# Altium PCB as14120_all_1.PcbDoc (part 2 of 2)
Units mm, origin at the board's own origin, x right, y up, seen from the top; angles counter-clockwise.
Board outline 130 x 100 mm, 6 copper layers (Top Layer, GND1, Signal_Power, Signal_midle, GND2, Bottom Layer), stack 0.963 mm thick; 374 components, 340 nets, 2183 pads, 100 vias.
Unrouted connection lines stored in the file: 951.
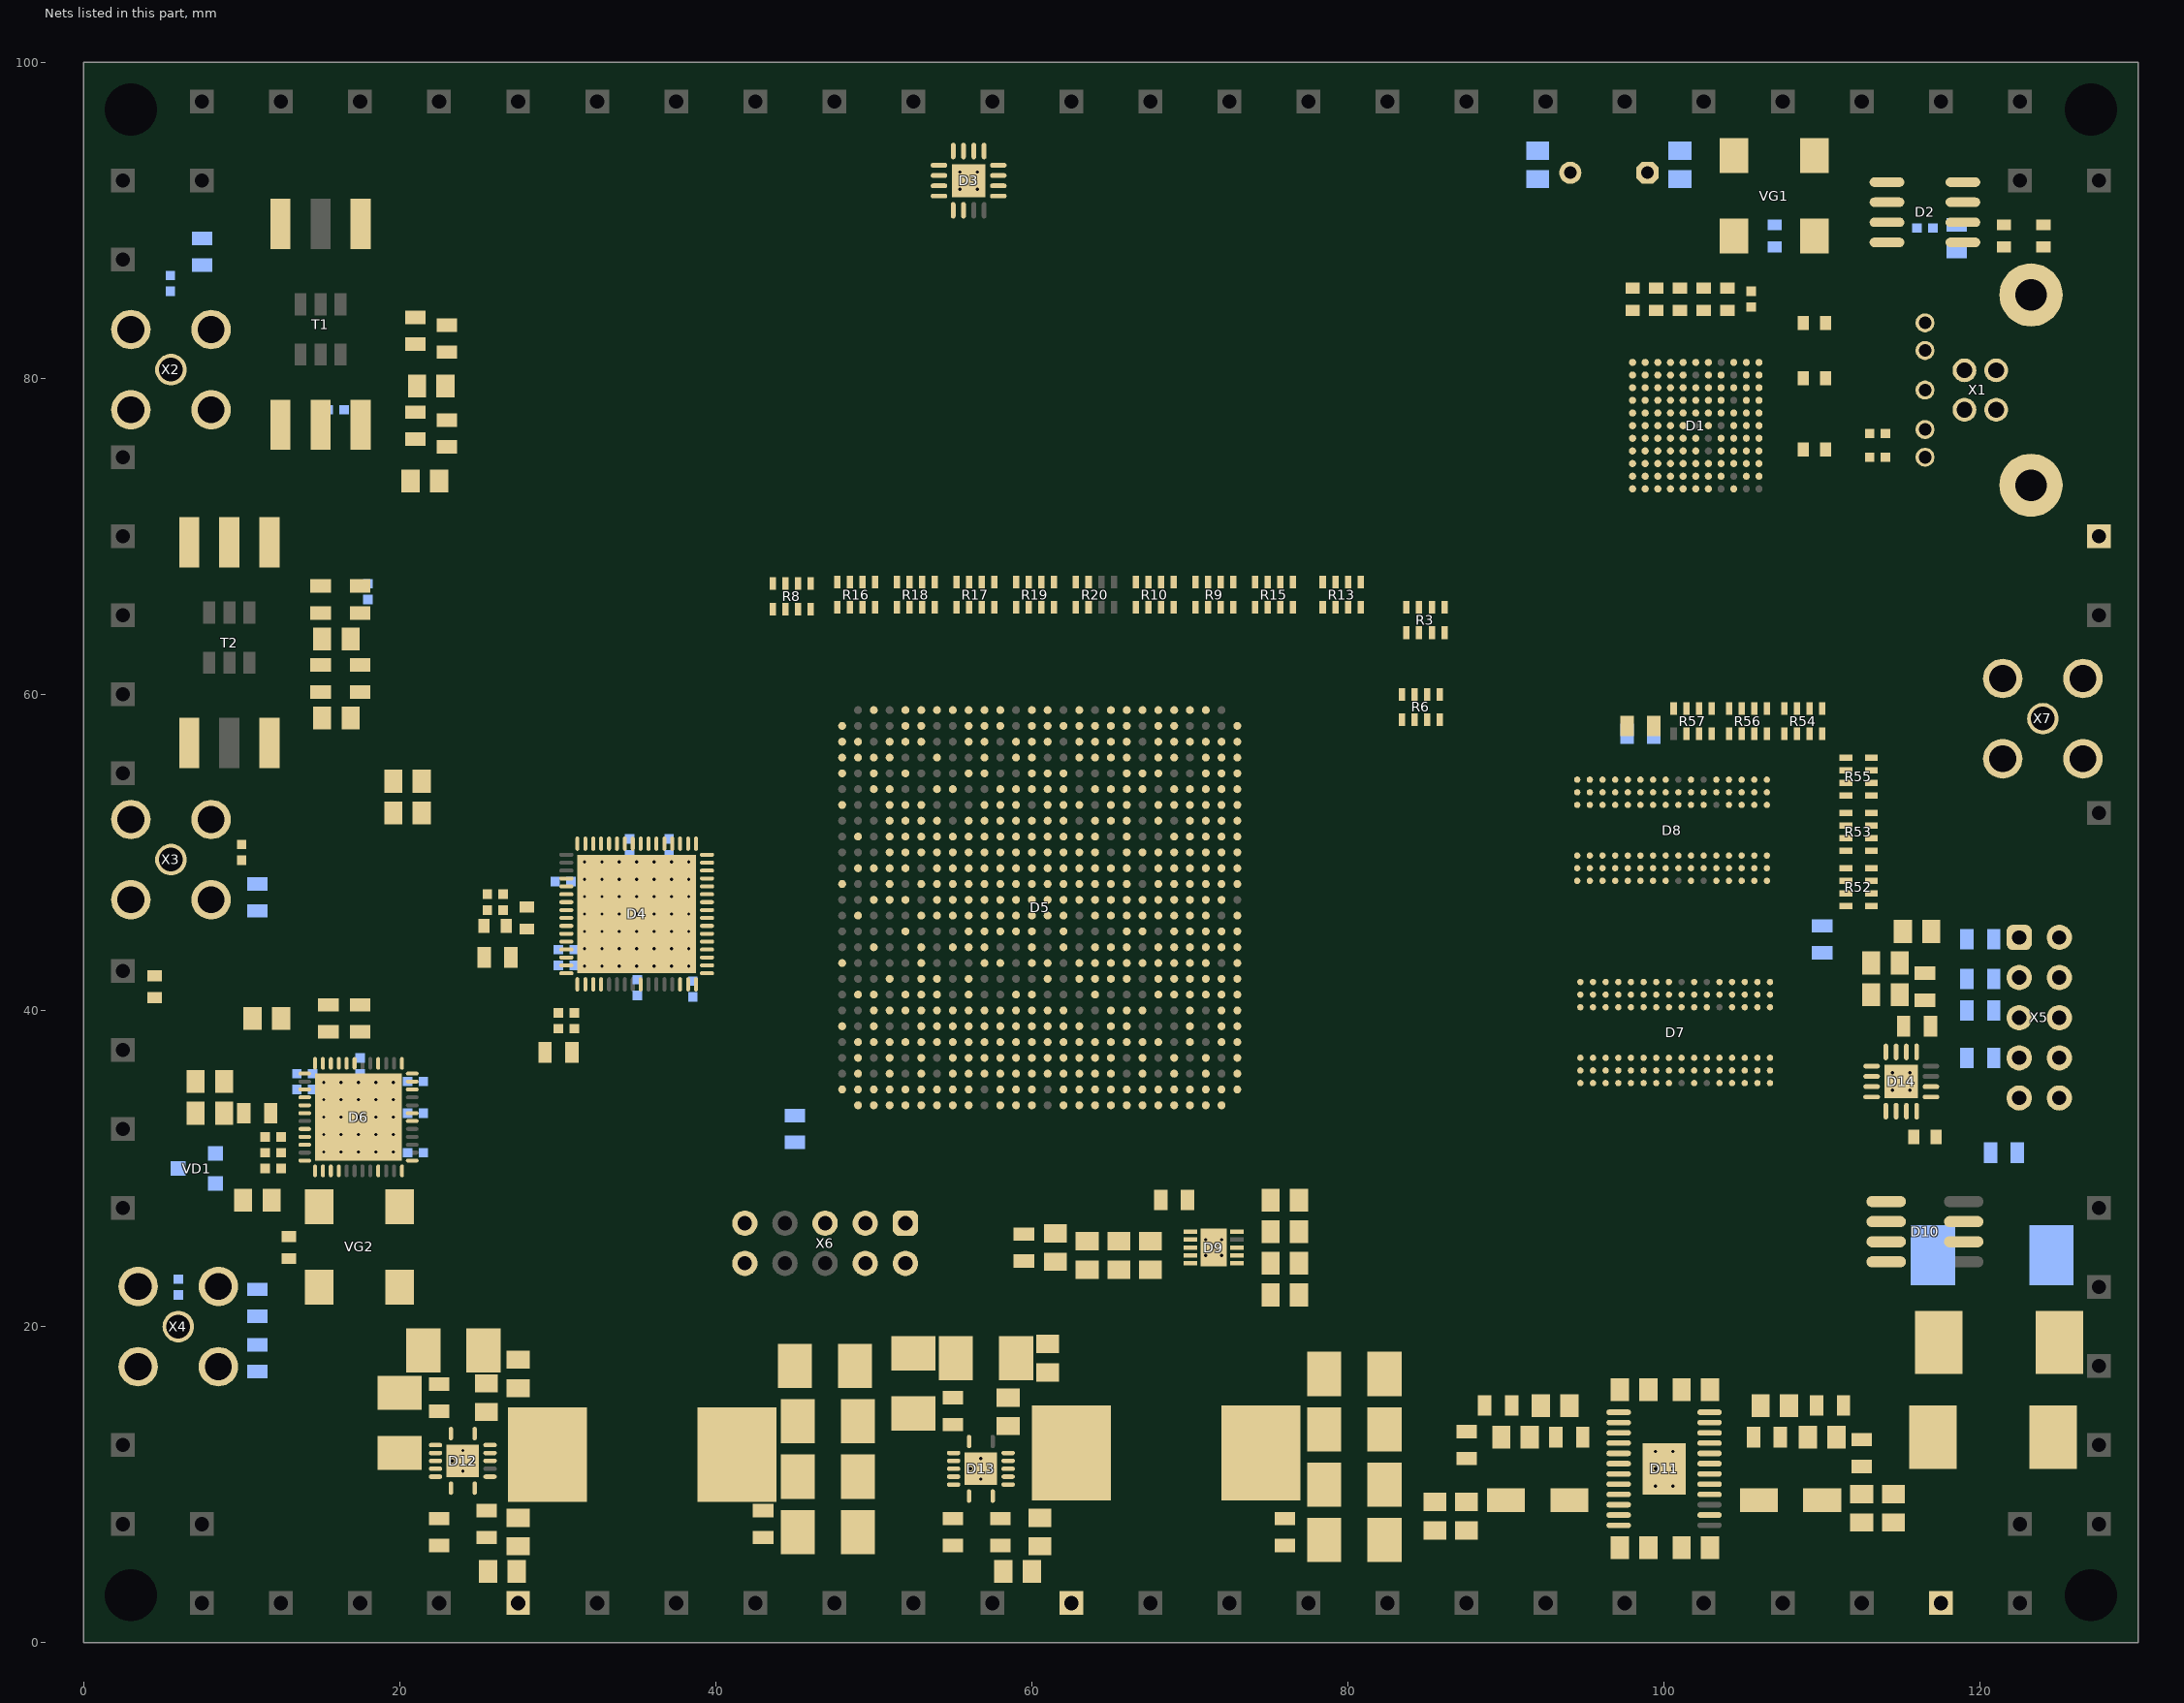
[diagram p4: the nets of this part, all layers, seen from the top]

## Part data
C1 C2 C3 C8 C9 C11 C13 C14 C15 C16 C17 C18 C19 C20 C21 C22 C23 C24 C25 C26 C27 C28 C29 C30 C31 C32 C33 C34 C35 C36 C37 C40 C41 C42 C43 C44 C45 C48 C49 C50 C51 C52 C53 C54 C55 C56 C57 C58 C59 C60 C61 C62 C63 C64 C67 C68 C69 C70 C71 C72 C73 C74 C75 C76 C77 C78 C79 C80 C81 C82 C83 C84 C85 C86 C87 C88 C89 C90 C91 C92 C93 C94 C95 C96 C97 C98 C99 C100 C101 C102 C103 C104 C105 C106 C107 C108 C109 C110 C111 C120 C121 C122 C123 C124 C125 C126 C127 C128 C129 C130 C131 C132 C133 C134 C135 C136 C137 C138 C139 C140 C141 C142 C143 C144 C145 C146 C147 C148 C149 C150 C151 C152 C153 C154 C155 C156 C157 C158 C159 C160 C161 C162 C163 C164 C165 C166 C167 C168 C169 C170 C171 C172 C173 C174 C175 C176 C177 C178 C179 C180 C181 C182 C183 C184 C185 C186 C187 C188 C189 C190 C191 C192 C193 C194 C195 C196: library part CAP_0402, "CAP 1uF 10V ±20% 0402 (1005 Metric) Thickness 0.6mm SMD"
D1: library part CYUSB3014-BZXC
D2: library part AT24C08BN-SP25-T, "8Kbit (1024 x 8), 2-wire Bus Automotive Serial EEPROM with Write Protect, 2.5V, 8-Pin SOIC, Tape & Reel"
D4: "Dual 14-Bit Analog-to-Digital Converter with Parallel Interface, 1.8 V, 125MSPS, -40 to +85 degC, CP-64-6, Pb-Free, Tray"
D5: "Cyclone V E Family FPGA, 1.07 to 1.13 V Supply, 336 I/O Pins, 7 PLLs, 672-Pin FBGA, Speed Grade 8, Commercial Grade, RoHS Compliant"
D6: "12-Output Clock Generator with Integrated 2.5 GHz VCO, 1800 MHz Max f-out, CP-48-8, Pb-Free, 260 Tray"
D7 D8: "4Gb DDR3-1600 SDRAM, 256Mb x 16, 1.25ns, 1.5V, 0 to 95 degC, 96-Ball FBGA, Pb-Free"
D9: "Single Output LDO, 3 A, 2.375 to 3.5 V Input, with DDR Termination, 10-pin SON (DRC), -40 to 85 degC, Green (RoHS & no Sb/Br)"
D11: "Dual 4 MHz, 3 A Synchronous Step-Down DC/DC Converter, 24-pin SOP (FE-24-EPV-AA), -40 to 125 degC, Pb-Free"
D12 D13: "Buck Step Down Regulator with 4.5 to 17 V Input and 0.8 to 15 V Output, -40 to 150 degC, 14-Pin VQFN (RGY), Green (RoHS & no Sb/Br)"
L1 L2 L3 L4 L5 L6 L7 L8 L9 L10 L11 L12 L13: library part Ferrite_beat
L14 L16: "INDUCT"
R1 R12 R14 R28 R29 R31 R32 R33 R35 R36 R38 R39 R40 R41 R42 R44 R45 R47 R48 R49 R50 R51 R58 R59 R60 R61 R62 R63 R64 R65 R66 R67 R68 R69 R70 R71 R81 R82 R83 R84 R85 R86 R87 R88 R89 R90 R91 R92 R93 R94 R95 R96: library part RES_0805, "1K 0.125W 1% 0805 (2012 Metric)  SMD"
R2 R4 R5 R7 R11 R21 R22 R23 R24 R25 R26 R27 R30 R34 R37 R43 R46 R72 R73 R74 R75 R76 R77 R78 R79 R80 R97: library part RES_0603, "1K 0.1W 5% 0603 (1608 Metric)  SMD"
T1 T2: library part TT1-6-KK81
VD1: "SOT23 Silicon Planar High-Speed Switching Series Diode Pair"

## Free pads (board coordinates)
  rect 0.3x0.5 hole 3.3 unplated: 0(3,3) 0(127,3) 0(127,97)
  rect 0x0 hole 3.3 unplated: 0(3,97)
  rect 1.5x1.5 hole 0.9: 3(2.5,7.5) 3(2.5,12.5) 3(2.5,27.5) 3(2.5,32.5) 3(2.5,37.5) 3(2.5,42.5) 3(2.5,55) 3(2.5,60) 3(2.5,65) 3(2.5,70) 3(2.5,75) 3(2.5,87.5) 3(2.5,92.5) 3(7.5,2.5) 3(7.5,7.5) 3(7.5,92.5) 3(7.5,97.5) 3(12.5,2.5) 3(12.5,97.5) 3(17.5,2.5) 3(17.5,97.5) 3(22.5,2.5) 3(22.5,97.5) 3(27.5,97.5) 3(27.5,2.5) 3(32.5,2.5) 3(32.5,97.5) 3(37.5,2.5) 3(37.5,97.5) 3(42.5,2.5) 3(42.5,97.5) 3(47.5,2.5) 3(47.5,97.5) 3(52.5,2.5) 3(52.5,97.5) 3(57.5,2.5) 3(57.5,97.5) 3(62.5,2.5) 3(62.5,97.5) 3(67.5,2.5) 3(67.5,97.5) 3(72.5,2.5) 3(72.5,97.5) 3(77.5,2.5) 3(77.5,97.5) 3(82.5,2.5) 3(82.5,97.5) 3(87.5,2.5) 3(87.5,97.5) 3(92.5,2.5) 3(92.5,97.5) 3(97.5,2.5) 3(97.5,97.5) 3(102.5,2.5) 3(102.5,97.5) 3(107.5,97.5) 3(107.5,2.5) 3(112.5,2.5) 3(112.5,97.5) 3(117.5,2.5) 3(117.5,97.5) 3(122.5,92.5) 3(122.5,2.5) 3(122.5,7.5) 3(122.5,97.5) 3(127.5,92.5) 3(127.5,7.5) 3(127.5,12.5) 3(127.5,17.5) 3(127.5,22.5) 3(127.5,27.5) 3(127.5,52.5) 3(127.5,65) 3(127.5,70)

## Via types
v1: diameter 0.5, hole 0.2, Top Layer to Bottom Layer, 100 vias

## Nets (pads, with @x,y where several pads share a name; then routed paths per layer and width w, separated by ;. In a path a pad name is that pad's centre, name@x,y a point inside that pad or via, vN(x,y) a via of type N, cw(c..) or ccw(c..) an arc to the next point about the centre after c; other vN are vias at no path point)
0V: C1.2 C4.1 C5.1 C6.1 C7.1 C8.1 C9.1 C10.1 C11.1 C12.1 C13.1 C14.1 C15.1 C16.1 C17.1 C18.1 C19.1 C20.1 C21.1 C22.1 C23.1 C24.1 C25.1 C26.1 C27.1 C28.1 C29.1 C30.1 C31.1 C32.1 C33.1 C34.1 C35.1 C36.1 C40.2 C55.2 C56.1 C57.1 C58.1 C59.1 C60.1 C61.1 C62.1 C63.1 C64.1 C65.1 C66.1 C68.1 C69.1 C70.1 C71.1 C72.2 C73.2 C74.1 C75.1 C76.1 C77.1 C78.1 C79.1 C80.1 C81.1 C82.1 C83.1 C84.1 C85.1 C86.1 C87.1 C88.1 C89.1 C90.2 C91.1 C92.1 C93.1 C94.1 C95.1 C96.1 C97.1 C98.1 C99.1 C100.1 C101.1 C102.1 C103.1 C104.1 C105.1 C106.1 C107.2 C108.2 C109.2 C110.1 C111.1 C112.1 C113.1 C114.1 C115.1 C116.1 C117.1 C118.1 C119.1 C120.1 C121.1 C122.1 C123.1 C124.1 C125.1 C126.1 C127.1 C128.1 C129.1 C130.1 C131.1 C132.1 C133.1 C134.1 C135.1 C136.1 C137.1 C138.1 C139.1 C140.1 C141.1 C142.1 C143.1 C144.1 C145.1 C146.1 C147.1 C148.1 C149.1 C150.1 C151.1 C152.1 C153.1 C154.1 C155.1 C156.1 C157.1 C158.1 C159.1 C160.1 C161.1 C162.1 C163.1 C164.1 C165.1 C166.1 C167.1 C168.1 C169.1 C170.1 C171.1 C172.1 C173.1 C174.1 C175.1 C176.1 C177.1 C178.1 C179.1 C180.1 C181.1 C182.1 C183.1 C184.1 C185.1 C186.1 C187.1 C188.1 C189.1 C190.1 C191.1 C192.1 C193.1 C194.1 C195.1 C196.1 C197.2 C198.2 C199.2 C200.2 C201.1 C202.1 C203.1 C204.1 C206.2 C207.2 C208.2 C209.2 C210.2 C211.1 C212.1 C213.1 C214.1 C215.1 C216.1 C217.1 C218.1 C219.1 C220.1 C221.2 C222.2 C223.2 C225.1 C226.1 C227.2 C228.2 C229.2 C230.2 C231.1 C232.1 D1.A1 D1.A8 D1.B7 D1.B8 D1.B9 D1.D8 D1.E2 D1.G1 D1.G11 D1.K3 D1.K4 D1.L1 D1.L2 D1.L3 D1.L6 D1.L11 D2.1 D2.2 D2.3 D2.4 D2.7 D3.6 D3.17 D5.A2 D5.A15 D5.A25 D5.AA1 D5.AA2 D5.AA5 D5.AA15 D5.AA25 D5.AB1 D5.AB2 D5.AB3 D5.AB4 D5.AB8 D5.AB18 D5.AC1 D5.AC2 D5.AC5 D5.AC7 D5.AC11 D5.AC13 D5.AC19 D5.AC21 D5.AC26 D5.AD1 D5.AD2 D5.AD3 D5.AD4 D5.AD14 D5.AD18 D5.AD20 D5.AD22 D5.AD24 D5.AD26 D5.AE1 D5.AE2 D5.AE5 D5.AE7 D5.AE17 D5.AE23 D5.AF2 D5.AF3 D5.AF4 D5.AF10 D5.AF20 D5.AF22 D5.AF24 D5.AF25 D5.B2 D5.B3 D5.B4 D5.B8 D5.B16 D5.B18 D5.C1 D5.C2 D5.C5 D5.C8 D5.C11 D5.C21 D5.D1 D5.D2 D5.D3 D5.D4 D5.D5 D5.D14 D5.D23 D5.D24 D5.E1 D5.E2 D5.E5 D5.E7 D5.E17 D5.F1 D5.F2 D5.F3 D5.F4 D5.F10 D5.F20 D5.G1 D5.G2 D5.G5 D5.G13 D5.G23 D5.H1 D5.H2 D5.H3 D5.H4 D5.H5 D5.H6 D5.H16 D5.H26 D5.J1 D5.J2 D5.J4 D5.J9 D5.J14 D5.J18 D5.K3 D5.K5 D5.K12 D5.K13 D5.K15 D5.K17 D5.K19 D5.K22 D5.L1 D5.L2 D5.L4 D5.L5 D5.L6 D5.L10 D5.L14 D5.L16 D5.L18 D5.L20 D5.L25 D5.L26 D5.M1 D5.M2 D5.M3 D5.M5 D5.M6 D5.M8 D5.M13 D5.M15 D5.M17 D5.M19 D5.N1 D5.N2 D5.N4 D5.N6 D5.N7 D5.N11 D5.N14 D5.N16 D5.N18 D5.N21 D5.P3 D5.P5 D5.P6 D5.P7 D5.P9 D5.P13 D5.P15 D5.P17 D5.P19 D5.P24 D5.P25 D5.R1 D5.R2 D5.R4 D5.R7 D5.R12 D5.R14 D5.R16 D5.R18 D5.T1 D5.T2 D5.T3 D5.T5 D5.T10 D5.T15 D5.T17 D5.T20 D5.U1 D5.U2 D5.U4 D5.U9 D5.U13 D5.U15 D5.U16 D5.U17 D5.U23 D5.V1 D5.V2 D5.V3 D5.V4 D5.V5 D5.V6 D5.V9 D5.V16 D5.V19 D5.V26 D5.W1 D5.W2 D5.W5 D5.W6 D5.W9 D5.W18 D5.W19 D5.W23 D5.Y1 D5.Y2 D5.Y3 D5.Y4 D5.Y12 D5.Y22 D6.49 D7.A9 D7.B1 D7.B3 D7.B9 D7.D1 D7.D8 D7.E1 D7.E2 D7.E8 D7.F9 D7.G1 D7.G8 D7.G9 D7.J2 D7.J8 D7.M1 D7.M9 D7.P1 D7.P9 D7.T1 D7.T9 D8.A9 D8.B1 D8.B3 D8.B9 D8.D1 D8.D8 D8.E1 D8.E2 D8.E8 D8.F9 D8.G1 D8.G8 D8.G9 D8.J2 D8.J8 D8.M1 D8.M9 D8.P1 D8.P9 D8.T1 D8.T9 D9.4 D9.8 D9.11 D11.1 D11.5 D11.14 D11.24 D11.25 D12.2 D12.3 D12.15 D13.2 D13.3 D13.15 D14.6 D14.17 pad.3@27.5,2.5 pad.3@62.5,2.5 pad.3@117.5,2.5 pad.3@127.5,70 R2.1 R4.2 R5.1 R12.2 R14.2 R25.2 R26.2 R29.1 R47.2 R48.2 R51.1 R58.2 R59.2 R62.1 R64.1 R69.1 R70.2 R71.2 R80.1 R83.2 R85.1 R86.2 R90.1 R93.1 R94.2 R95.1 VD1.3 VG1.2 VG2.2 X1.4 X1.7 X1.10 X4.2 X5.2 X5.4 X5.6 X5.8 X5.9 X5.10 X6.2 X6.10 X7.2
  other v1: 99.45,9.9 100.55,9.9 56.775,10.35 24,10.85 56.125,11 57.425,11 99.45,11 100.55,11 23.35,11.5 24.65,11.5 56.775,11.65 99.45,12.1 100.55,12.1 24,12.15 71,24.5 72,24.5 71,25.5 72,25.5 15.2,31.05 16.3,31.05 17.4,31.05 18.5,31.05 19.6,31.05 15.2,32.15 16.3,32.15 17.4,32.15 18.5,32.15 19.6,32.15 15.2,33.25 16.3,33.25 17.4,33.25 18.5,33.25 19.6,33.25 15.2,34.35 16.3,34.35 17.4,34.35 18.5,34.35 19.6,34.35 114.45,34.95 115.55,34.95 15.2,35.45 16.3,35.45 17.4,35.45 18.5,35.45 19.6,35.45 114.45,36.05 115.55,36.05 55.45,91.95 56.55,91.95 55.45,93.05 56.55,93.05
0VA: C41.2 C42.2 R33.1 R34.1 R39.2 R42.1 R43.1 T1.6 T2.6 X2.2 X3.2
12V: C197.1 C198.1 C199.1 C200.1 C206.1 C221.1 C222.1 C223.1 D12.4 D12.5 D12.6 D13.4 D13.5 D13.6 VD2.1
A_485: R66.2 X5.1
AD97_CS: D5.J7 D6.14
AD9517_EXT_CLK: C67.2 D6.47 R50.1 R51.2 VD1.1
AD9517_FPGA_CLK: D5.F6 D6.48 VG2.3
AD9517_REF_SEL: D5.C7 D6.6
AD9517_REFMON: D5.D7 D6.1
AD9517_SCLK: D5.H7 D6.13
AD9517_SDIO: D5.L7 D6.16
AD9517_SDO: D5.K6 D6.15
AD9517_STATUS: D5.G6 D6.5
ADC_CLK_N: C44.1 D6.34 R38.1
ADC_CLK_P: C43.1 D6.35 R38.2
ADC_CML: C40.1 C55.1 D4.41 T1.2 T2.2
ADC_CSB: D4.51 D5.A23
ADC_D0_N: D4.62 D5.J16
ADC_D0_P: D4.63 D5.H15
ADC_D1_N: D4.2 D5.A24
ADC_D1_P: D4.3 D5.B24
ADC_D2_N: D4.4 D5.H17
ADC_D2_P: D4.5 D5.H18
ADC_D3_N: D4.6 D5.D20
ADC_D3_P: D4.7 D5.D21
ADC_D4_N: D4.8 D5.G17
ADC_D4_P: D4.9 D5.G16
ADC_D5_N: D4.12 D5.E19
ADC_D5_P: D4.13 D5.E20
ADC_D6_N: D4.14 D5.J11
ADC_D6_P: D4.15 D5.J12
ADC_D7_N: D4.16 D5.D17
ADC_D7_P: D4.17 D5.D18
ADC_D8_N: D4.18 D5.H13
ADC_D8_P: D4.19 D5.H14
ADC_D9_N: D4.22 D5.F18
ADC_D9_P: D4.23 D5.E18
ADC_D10_N: D4.25 D5.K11
ADC_D10_P: D4.26 D5.L12
ADC_D11_N: D4.27 D5.D15
ADC_D11_P: D4.28 D5.C14
ADC_D12_N: D4.29 D5.M12
ADC_D12_P: D4.30 D5.N12
ADC_D13_N: D4.31 D5.D16
ADC_D13_P: D4.32 D5.E16
ADC_DCO_N: D4.10 D5.G14
ADC_DCO_P: D4.11 D5.G15
ADC_SCLK: D4.48 D5.C23
ADC_SDIO: D4.47 D5.C22
ADC_SYNC: D4.52 D5.A22
AVDD: C12.2 C23.2 D1.A7 L3.2
B_485: R68.2 X5.3
CY_CTRL0: D5.U24 R16.2
CY_CTRL1: D5.V25 R16.3
CY_CTRL2: D5.R20 R16.4
CY_CTRL3: D5.P20 R17.1
CY_CTRL4: D5.AB26 R17.3
CY_CTRL5: D5.AA26 R18.1
CY_CTRL6: D5.T26 R18.3
CY_CTRL7: D5.V23 R19.1
CY_CTRL8: D5.V24 R19.2
CY_CTRL9: D5.T23 R19.3
CY_CTRL10: D5.T24 R19.4
CY_CTRL11: D5.AA24 R20.1
CY_CTRL12: D5.AB25 R20.2
CY_DQ0: D5.U19 R3.1
CY_DQ1: D5.V20 R3.3
CY_DQ2: D5.AA22 R6.1
CY_DQ3: D5.AA23 R6.3
CY_DQ4: D5.W20 R8.1
CY_DQ5: D5.W21 R8.3
CY_DQ6: D5.AC24 R9.1
CY_DQ7: D5.AB24 R9.3
CY_DQ8: D5.Y26 R10.1
CY_DQ9: D5.P21 R10.3
CY_DQ10: D5.P22 R13.1
CY_DQ11: D5.W25 R13.3
CY_DQ12: D5.W26 R15.4
CY_DQ13: D5.N25 R15.2
CY_DQ14: D5.P26 R15.3
CY_DQ15: D5.U25 R15.1
CY_DQ16: D5.M21 R3.2
CY_DQ17: D5.J25 R3.4
CY_DQ18: D5.J26 R6.2
CY_DQ19: D5.N24 R6.4
CY_DQ20: D5.M24 R8.2
CY_DQ21: D5.F26 R8.4
CY_DQ22: D5.G26 R9.2
CY_DQ23: D5.N23 R9.4
CY_DQ24: D5.E26 R10.2
CY_DQ25: D5.K25 R10.4
CY_DQ26: D5.K26 R13.2
CY_DQ27: D5.E24 R13.4
CY_DQ28: D5.E25 R17.2
CY_DQ29: D5.K24 R17.4
CY_DQ30: D5.K23 R18.2
CY_DQ31: D5.F24 R18.4
CY_G: D1.D7 VG1.3
CY_PCLK: D5.R25 R16.1
CY_SCL: D1.D9 D2.6 R21.1
CY_SDA: D1.D10 D2.5 R22.1
DDR_A0: D5.AE6 D7.N3 D8.N3 R52.8
DDR_A1: D5.AF6 D7.P7 D8.P7 R52.7
DDR_A2: D5.AF7 D7.P3 D8.P3 R52.6
DDR_A3: D5.AF8 D7.N2 D8.N2 R52.5
DDR_A4: D5.U10 D7.P8 D8.P8 R53.8
DDR_A5: D5.U11 D7.P2 D8.P2 R53.7
DDR_A6: D5.AE9 D7.R8 D8.R8 R53.6
DDR_A7: D5.AF9 D7.R2 D8.R2 R53.5
DDR_A8: D5.AB12 D7.T8 D8.T8 R54.8
DDR_A9: D5.AB11 D7.R3 D8.R3 R54.7
DDR_A10: D5.AC9 D7.L7 D8.L7 R54.6
DDR_A11: D5.AC8 D7.R7 D8.R7 R54.5
DDR_A12: D5.AB10 D7.N7 D8.N7 R55.8
DDR_A13: D5.AC10 D7.T3 D8.T3 R55.7
DDR_A14: D5.W11 D7.T7 D8.T7 R57.6
DDR_BA0: D5.V10 D7.M2 R55.6
DDR_BA1: D5.AD8 D7.N8 D8.M2 R55.5
DDR_BA2: D5.AE8 D7.M3 D8.N8 R56.8
DDR_BA3: D8.M3
DDR_CAS: D5.W10 D7.K3 D8.K3 R56.6
DDR_CK_N: D5.P10 D7.K7 D8.K7 R60.1
DDR_CK_P: D5.N10 D7.J7 D8.J7 R60.2
DDR_CKE: D7.K9 D8.K9 R62.2
DDR_CS: D5.R11 D7.L2 D8.L2 R57.8
DDR_DM0: D5.AF11 D7.E7
DDR_DM1: D5.AE18 D7.D3
DDR_DM2: D5.AE20 D8.E7
DDR_DM3: D5.AE24 D8.D3
DDR_DQ0: D5.AA14 D7.E3
DDR_DQ1: D5.Y14 D7.F7
DDR_DQ2: D5.AD11 D7.F2
DDR_DQ3: D5.AD12 D7.F8
DDR_DQ4: D5.Y13 D7.H3
DDR_DQ5: D5.W12 D7.H8
DDR_DQ6: D5.AD10 D7.G2
DDR_DQ7: D5.AF12 D7.H7
DDR_DQ8: D5.AC15 D7.D7
DDR_DQ9: D5.AB15 D7.C3
DDR_DQ10: D5.AC14 D7.C8
DDR_DQ11: D5.AF13 D7.C2
DDR_DQ12: D5.AB16 D7.A7
DDR_DQ13: D5.AA16 D7.A2
DDR_DQ14: D5.AE14 D7.B8
DDR_DQ15: D5.AF18 D7.A3
DDR_DQ16: D5.AD16 D8.E3
DDR_DQ17: D5.AD17 D8.F7
DDR_DQ18: D5.AC18 D8.F2
DDR_DQ19: D5.AF19 D8.F8
DDR_DQ20: D5.AC17 D8.H3
DDR_DQ21: D5.AB17 D8.H8
DDR_DQ22: D5.AF21 D8.G2
DDR_DQ23: D5.AE21 D8.H7
DDR_DQ24: D5.AE15 D8.D7
DDR_DQ25: D5.AE16 D8.C3
DDR_DQ26: D5.AC20 D8.C8
DDR_DQ27: D5.AD21 D8.C2
DDR_DQ28: D5.AF16 D8.A7
DDR_DQ29: D5.AF17 D8.A2
DDR_DQ30: D5.AD23 D8.B8
DDR_DQ31: D5.AF23 D8.A3
DDR_DQS0_N: D5.W13 D7.G3
DDR_DQS0_P: D5.V13 D7.F3
DDR_DQS1_N: D5.V14 D7.B7
DDR_DQS1_P: D5.U14 D7.C7
DDR_DQS2_N: D5.W15 D8.G3
DDR_DQS2_P: D5.V15 D8.F3
DDR_DQS3_N: D5.W17 D8.B7
DDR_DQS3_P: D5.W16 D8.C7
DDR_ODT: D5.AD13 D7.K1 D8.K1 R57.7
DDR_RAS: D5.Y10 D7.J3 D8.J3 R56.5
DDR_RESET_N: D5.AE19 D7.T2 D8.T2 R63.2
DDR_WE: D5.T9 D7.L3 D8.L3 R56.7
FPGA_CONF_DONE: D1.C1 D1.D2 D1.D3 D1.D4 D5.A6 D5.B5 D5.F5 D5.N8 R77.2 R78.2 R79.2
FPGA_DATA0: D1.D5 D5.AF5
NetC1_1: C1.1 D1.E11 R1.1
NetC2_2: C2.2 D1.A5
NetC3_2: C3.2 D1.A6
NetC4_2: C4.2 D1.C7 ZQ1.1
NetC5_2: C5.2 D1.C6 ZQ1.2
NetC8_2: C8.2 D1.C5 R27.1
NetC37_1: C37.1 X2.1
NetC37_2: C37.2 R33.2 T1.4
NetC38_1: C38.1 R35.1 R36.2
NetC38_2: C38.2 R31.1 R32.2
NetC39_1: C39.1 D4.38 R36.1
NetC39_2: C39.2 D4.37 R32.1
NetC41_1: C41.1 C42.1 D4.39 R37.2
NetC43_2: C43.2 D4.49
NetC44_2: C44.2 D4.50
NetC45_1: C45.1 X3.1
NetC45_2: C45.2 R42.2 T2.4
NetC46_1: C46.1 R44.1 R45.2
NetC46_2: C46.2 R40.1 R41.2
NetC47_1: C47.1 D4.43 R45.1
NetC47_2: C47.2 D4.44 R41.1
NetC48_1: C48.1 C49.1 C50.1 C51.1 C52.1 C53.1 C54.1 D4.20 D4.64 D4.65 R43.2
  other v1: 31.7,42.8 32.8,42.8 33.9,42.8 35,42.8 36.1,42.8 37.2,42.8 38.3,42.8 31.7,43.9 32.8,43.9 33.9,43.9 35,43.9 36.1,43.9 37.2,43.9 38.3,43.9 31.7,45 32.8,45 33.9,45 35,45 36.1,45 37.2,45 38.3,45 31.7,46.1 32.8,46.1 33.9,46.1 35,46.1 36.1,46.1 37.2,46.1 38.3,46.1 31.7,47.2 32.8,47.2 33.9,47.2 35,47.2 36.1,47.2 37.2,47.2 38.3,47.2 31.7,48.3 32.8,48.3 33.9,48.3 35,48.3 36.1,48.3 37.2,48.3 38.3,48.3 31.7,49.4 32.8,49.4 33.9,49.4 35,49.4 36.1,49.4 37.2,49.4 38.3,49.4
NetC52_2: C52.2 C53.2 C54.2 D4.36 D4.45 D4.46 L4.1
NetC56_2: C56.2 C57.2 C58.2 C59.2 C60.2 D6.10 D6.21 D6.24 D6.25 D6.30 D6.31 D6.36 D6.37 D6.40 D6.43 D6.45 L6.1 L7.2
NetC61_2: C61.2 C62.2 D6.3 L7.1
NetC63_2: C63.2 D6.12
NetC64_2: C64.2 D6.9
NetC65_2: C65.2 R49.2
NetC66_2: C66.2 D6.4 D6.8 R49.1
NetC67_1: C67.1 X4.1
NetC72_1: C72.1 C73.1 C90.1 C107.1 C108.1 C109.1 C110.2 C111.2 L9.1 R52.1 R52.2 R52.3 R52.4 R53.1 R53.2 R53.3 R53.4 R54.1 R54.2 R54.3 R54.4 R55.1 R55.2 R55.3 R55.4 R56.1 R56.2 R56.3 R56.4 R57.1 R57.2 R57.3 R57.4
NetC116_2: C116.2 D9.6
NetC117_2: C117.2 D9.1 R61.1 R64.2
NetC139_2: C139.2 C140.2 C141.2 C142.2 C143.2 D5.AA8 D5.AB14 D5.AB20 D5.E14 D5.G9 D5.G19 L12.1
NetC205_1: C205.1 D12.13
NetC205_2: C205.2 D12.11 D12.12 L15.1
NetC211_2: C211.2 R84.1
NetC212_2: C212.2 D11.22 R84.2
NetC215_2: C215.2 D12.9
NetC218_2: C218.2 R89.1
NetC219_2: C219.2 D11.3 R89.2
NetC220_2: C220.2 R87.2
NetC224_1: C224.1 D13.13
NetC224_2: C224.2 D13.11 D13.12 L17.1
NetC231_2: C231.2 D13.9
NetC232_2: C232.2 R96.2
NetD1_B2: D1.B2 R2.2
NetD1_B3: D1.B3 R14.1
NetD1_B4: D1.B4 R5.2
NetD1_C8: D1.C8 R12.1
NetD1_C9: D1.C9 R4.1
NetD1_E1: D1.E1 R17.5
NetD1_E4: D1.E4 R18.5
NetD1_E5: D1.E5 R18.7
NetD1_E6: D1.E6 R7.2
NetD1_F3: D1.F3 R13.5
NetD1_F4: D1.F4 R10.7
NetD1_F5: D1.F5 R17.7
NetD1_F7: D1.F7 R6.8
NetD1_F8: D1.F8 R8.6
NetD1_F9: D1.F9 R3.6
NetD1_F10: D1.F10 R3.8
NetD1_G2: D1.G2 R10.5
NetD1_G3: D1.G3 R13.7
NetD1_G4: D1.G4 R23.1
NetD1_G5: D1.G5 R19.7
NetD1_G6: D1.G6 R18.8
NetD1_G7: D1.G7 R17.6
NetD1_G8: D1.G8 R15.5
NetD1_G9: D1.G9 R8.8
NetD1_G10: D1.G10 R6.6
NetD1_H2: D1.H2 R9.6
NetD1_H3: D1.H3 R9.7
NetD1_H4: D1.H4 R24.1
NetD1_H5: D1.H5 R20.7
NetD1_H6: D1.H6 R19.6
NetD1_H7: D1.H7 R17.8
NetD1_H8: D1.H8 R19.8
NetD1_H9: D1.H9 R9.5
NetD1_H10: D1.H10 R9.8
NetD1_J1: D1.J1 R8.5
NetD1_J2: D1.J2 R6.5
NetD1_J3: D1.J3 R8.7
NetD1_J4: D1.J4 R3.5
NetD1_J5: D1.J5 R20.8
NetD1_J6: D1.J6 R16.8
NetD1_J7: D1.J7 R16.5
NetD1_J8: D1.J8 R15.6
NetD1_J9: D1.J9 R10.6
NetD1_J10: D1.J10 R10.8
NetD1_K1: D1.K1 R6.7
NetD1_K2: D1.K2 R3.7
NetD1_K5: D1.K5 R19.5
NetD1_K6: D1.K6 R18.6
NetD1_K7: D1.K7 R16.6
NetD1_K8: D1.K8 R16.7
NetD1_K9: D1.K9 R15.7
NetD1_K10: D1.K10 R15.8
NetD1_K11: D1.K11 R13.8
NetD1_L4: D1.L4 R25.1
NetD1_L8: D1.L8 R26.1
NetD1_L10: D1.L10 R13.6
NetD3_5: D3.5 R30.1
NetD3_9: D3.9 R28.1 R29.2
NetD4_40: D4.40 R34.2 R37.1
NetD4_42: D4.42 R39.1
NetD5_AE11: D5.AE11 R71.1
NetD5_B1: D5.B1 R70.1
NetD5_J5: D5.J5 R76.1
NetD5_M7: D5.M7 R75.1
NetD6_44: D6.44 R47.1
NetD6_46: D6.46 R48.1
NetD7_L8: D7.L8 R58.1
NetD8_L8: D8.L8 R59.1
NetD10_6: D10.6 R67.1 R68.1 R69.2
NetD10_7: D10.7 R65.1 R66.1 R67.2
NetD11_2: D11.2 R88.1 R90.2
NetD11_8: D11.8 D11.9 L16.1
NetD11_16: D11.16 D11.17 L14.1
NetD11_23: D11.23 R81.1 R83.1
NetD12_1: D12.1 R86.1
NetD12_7: D12.7 R82.1 R85.2
NetD12_8: D12.8 R87.1
NetD13_1: D13.1 R94.1
NetD13_7: D13.7 R91.1 R93.2
NetD13_8: D13.8 R96.1
NetD14_5: D14.5 R97.1
NetD14_9: D14.9 R92.1 R95.2
NetR1_2: R1.2 X1.1
NetR11_2: R11.2 VG1.1
NetR31_2: R31.2 T1.3
NetR35_2: R35.2 T1.1
NetR40_2: R40.2 T2.3
NetR44_2: R44.2 T2.1
NetR46_2: R46.2 VG2.1
NetVD2_2: VD2.2 X7.1
PG1P1: D12.14 D13.10
SS_RX_N: D1.A3 X1.8
SS_RX_P: D1.A4 X1.9
SS_TX_N: C3.1 X1.5
SS_TX_P: C2.1 X1.6
TCK: D5.Y5 R73.2 R80.2 X6.1
TDI: D5.T6 R74.1 X6.9
TDO: D5.V7 X6.3
TMS: D5.R6 R72.2 X6.5
TTL_CLK: D5.J8
TTL_RX: D10.1
TTL_SDIN: D5.G7
TTL_SDOUT: D5.F7
TTL_SS: D5.K10
TTL_TX: D10.4
TTL_TX_EN: D10.2 D10.3
U3RXVDDQ: C7.2 C9.2 D1.A2 L1.2
U3TXVDDQ: C10.2 C11.2 D1.B5 L2.2
USB_N: D1.A10 X1.2
USB_P: D1.A9 X1.3
V0P75D: C112.2 C113.2 C114.2 D9.3 D9.5 L8.1 L9.2
V1P1D: C120.2 C121.2 C122.2 C123.2 C124.2 C125.2 C126.2 C132.2 C133.2 C134.2 C135.2 C136.2 C137.2 C138.2 C144.2 C145.2 C146.2 C147.2 C148.2 C149.2 C150.2 C207.1 C208.1 C209.1 C210.1 D5.J3 D5.J13 D5.J15 D5.J17 D5.J19 D5.K4 D5.K14 D5.K16 D5.K18 D5.K20 D5.L13 D5.L15 D5.L17 D5.L19 D5.M4 D5.M14 D5.M16 D5.M18 D5.M20 D5.N3 D5.N5 D5.N13 D5.N15 D5.N17 D5.N19 D5.P4 D5.P14 D5.P16 D5.P18 D5.R5 D5.R13 D5.R15 D5.R17 D5.R19 D5.T14 D5.T16 D5.T18 D5.U3 D5.U5 L15.2 R82.2
V1P2D: C6.2 C13.2 C14.2 C15.2 C16.2 C17.2 C18.2 C19.2 C20.2 C21.2 C22.2 D1.B10 D1.C3 D1.E9 D1.F11 D1.H1 D1.J11 D1.L5 D1.L7 D3.10 D3.11 D3.12 D3.13 D3.14 L1.1 L2.1 L3.1 R28.2
V1P5D: C74.2 C75.2 C76.2 C77.2 C78.2 C79.2 C80.2 C81.2 C82.2 C83.2 C84.2 C85.2 C86.2 C87.2 C88.2 C89.2 C91.2 C92.2 C93.2 C94.2 C95.2 C96.2 C97.2 C98.2 C99.2 C100.2 C101.2 C102.2 C103.2 C104.2 C105.2 C106.2 C115.2 C118.2 C119.2 C169.2 C170.2 C171.2 C172.2 C173.2 C174.2 C175.2 C225.2 C226.2 D5.AA10 D5.AA20 D5.AB13 D5.AC16 D5.AD9 D5.AD19 D5.AE12 D5.AE22 D5.AF15 D5.E8 D5.U8 D5.U18 D5.V11 D5.W14 D5.Y17 D7.A1 D7.A8 D7.B2 D7.C1 D7.C9 D7.D2 D7.D9 D7.E9 D7.F1 D7.G7 D7.H2 D7.H9 D7.K2 D7.K8 D7.N1 D7.N9 D7.R1 D7.R9 D8.A1 D8.A8 D8.B2 D8.C1 D8.C9 D8.D2 D8.D9 D8.E9 D8.F1 D8.G7 D8.H2 D8.H9 D8.K2 D8.K8 D8.N1 D8.N9 D8.R1 D8.R9 D9.2 D9.7 D9.10 D14.10 D14.11 D14.12 D14.13 D14.14 R61.2 R63.1 R92.2
V1P8D: C24.2 C25.2 C26.2 C27.2 C28.2 C29.2 C30.2 C48.2 C49.2 C50.2 C51.2 C176.2 C177.2 C185.2 C186.2 C187.2 C188.2 C193.2 C194.2 C195.2 C196.2 C203.2 C204.2 D1.B1 D1.E3 D1.F1 D1.H11 D1.L9 D3.1 D3.2 D3.3 D3.4 D3.15 D3.16 D4.1 D4.21 D4.24 D4.57 D5.AB23 D5.C26 D5.E22 D5.F25 D5.H21 D5.J24 D5.M23 D5.N26 D5.R22 D5.T25 D5.V21 D5.W24 D14.1 D14.2 D14.3 D14.4 D14.15 D14.16 L4.2 L5.1 L5.2 L13.2 L14.2 R23.2 R24.2 R27.2 R30.2 R81.2 R97.2
V2P5D: C127.2 C128.2 C129.2 C130.2 C131.2 C153.2 C154.2 C155.2 C156.2 C157.2 C158.2 C159.2 C160.2 C161.2 C162.2 C163.2 C164.2 C178.2 C179.2 C180.2 C181.2 C182.2 C183.2 C184.2 C216.2 C217.2 D5.A10 D5.A20 D5.AA11 D5.AA13 D5.AA17 D5.AA19 D5.AB9 D5.AB21 D5.B13 D5.B23 D5.C16 D5.D19 D5.E12 D5.F9 D5.F11 D5.F13 D5.F15 D5.F17 D5.F19 D5.G18 D5.G21 D5.H11 D5.J6 D5.J22 D5.L3 D5.L21 D5.N22 D5.R3 D5.R21 D5.T4 D5.U21 D5.W7 D5.Y21 L10.1 L10.2 L11.1 L11.2 L12.2 L16.2 R88.2
V3P3D: C31.2 C32.2 C33.2 C34.2 C35.2 C36.2 C189.2 C190.2 C191.2 C192.2 C201.2 C202.2 C213.2 C214.2 C227.1 C228.1 C229.1 C230.1 D1.B6 D1.C11 D1.E10 D2.8 D5.C6 D5.D9 D5.G8 D5.K7 D11.4 D11.6 D11.7 D11.10 D11.11 D11.12 D11.18 D11.19 D11.20 D11.21 L6.2 L17.2 R7.1 R11.1 R21.2 R22.2 R46.1 R50.2 R65.2 R91.2 VD1.2 VG1.4 VG2.4 X5.5 X5.7
VCCPGM: C151.2 C152.2 C165.2 C166.2 D5.AA9 D5.AC6 D5.F8 D5.W22 D5.Y7 L13.1 R72.1 R73.1 R74.2 R75.2 R76.2 R77.1 R78.1 R79.1 X6.4
VREFDDR: C68.2 C69.2 C70.2 C71.2 C167.2 C168.2 D5.AC12 D5.AD15 D7.H1 D7.M8 D8.H1 D8.M8 L8.2
pads on no net: D1.A11 D1.B11 D1.C2 D1.C4 D1.C10 D1.D1 D1.D6 D1.D11 D1.E7 D1.E8 D1.F2 D1.F6 D3.7 D3.8 D4.33 D4.34 D4.35 D4.53 D4.54 D4.55 D4.56 D4.58 D4.59 D4.60 D4.61 D5.A3 D5.A4 D5.A5 D5.A7 D5.A8 D5.A9 D5.A11 D5.A12 D5.A13 D5.A14 D5.A16 D5.A17 D5.A18 D5.A19 D5.A21 D5.AA3 D5.AA4 D5.AA6 D5.AA7 D5.AA12 D5.AA18 D5.AA21 D5.AB5 D5.AB6 D5.AB7 D5.AB19 D5.AB22 D5.AC3 D5.AC4 D5.AC22 D5.AC23 D5.AC25 D5.AD5 D5.AD6 D5.AD7 D5.AD25 D5.AE3 D5.AE4 D5.AE10 D5.AE13 D5.AE25 D5.AE26 D5.AF14 D5.B6 D5.B7 D5.B9 D5.B10 D5.B11 D5.B12 D5.B14 D5.B15 D5.B17 D5.B19 D5.B20 D5.B21 D5.B22 D5.B25 D5.B26 D5.C3 D5.C4 D5.C9 D5.C10 D5.C12 D5.C13 D5.C15 D5.C17 D5.C18 D5.C19 D5.C20 D5.C24 D5.C25 D5.D6 D5.D8 D5.D10 D5.D11 D5.D12 D5.D13 D5.D22 D5.D25 D5.D26 D5.E3 D5.E4 D5.E6 D5.E9 D5.E10 D5.E11 D5.E13 D5.E15 D5.E21 D5.E23 D5.F12 D5.F14 D5.F16 D5.F21 D5.F22 D5.F23 D5.G3 D5.G4 D5.G10 D5.G11 D5.G12 D5.G20 D5.G22 D5.G24 D5.G25 D5.H8 D5.H9 D5.H10 D5.H12 D5.H19 D5.H20 D5.H22 D5.H23 D5.H24 D5.H25 D5.J10 D5.J20 D5.J21 D5.J23 D5.K1 D5.K2 D5.K8 D5.K9 D5.K21 D5.L8 D5.L9 D5.L11 D5.L22 D5.L23 D5.L24 D5.M9 D5.M10 D5.M11 D5.M22 D5.M25 D5.M26 D5.N9 D5.N20 D5.P1 D5.P2 D5.P8 D5.P11 D5.P12 D5.P23 D5.R8 D5.R9 D5.R10 D5.R23 D5.R24 D5.R26 D5.T7 D5.T8 D5.T11 D5.T12 D5.T13 D5.T19 D5.T21 D5.T22 D5.U6 D5.U7 D5.U12 D5.U20 D5.U22 D5.U26 D5.V8 D5.V12 D5.V17 D5.V18 D5.V22 D5.W3 D5.W4 D5.W8 D5.Y6 D5.Y8 D5.Y9 D5.Y11 D5.Y15 D5.Y16 D5.Y18 D5.Y19 D5.Y20 D5.Y23 D5.Y24 D5.Y25 D6.2 D6.7 D6.11 D6.17 D6.18 D6.19 D6.20 D6.22 D6.23 D6.26 D6.27 D6.28 D6.29 D6.32 D6.33 D6.38 D6.39 D6.41 D6.42 D7.J1 D7.J9 D7.L1 D7.L9 D7.M7 D8.J1 D8.J9 D8.L1 D8.L9 D8.M7 D9.9 D10.5 D10.8 D11.13 D11.15 D12.10 D13.14 D14.7 D14.8 R20.3 R20.4 R20.5 R20.6 R57.5 T1.5 T1.11 T1.12 T1.13 T1.14 T1.15 T1.16 T2.5 T2.11 T2.12 T2.13 T2.14 T2.15 T2.16 X6.6 X6.7 X6.8

## Polygon pours and split planes (outlines as drawn)
0V on GND1 (split plane): 129.498,0.502 0.502,0.502 0.502,99.498 129.498,99.498
0V on GND2 (split plane): 129.498,0.502 0.502,0.502 0.502,99.498 129.498,99.498

## Keep-outs
Keep-Out Layer:
  lines w0.254: 1,6 1,94 6,94 6,99 124,99 124,94 129,94 129,6 124,6 124,1 6,1 6,6 1,6

## Text inside footprints (layer, text, board x,y; h text height)
X1: Top Overlay "usb_3" at 132,75.75 h1.5 r90